# Altium PCB Smart-Car.PcbDoc
Units mil, origin at the board's own origin, x right, y up, seen from the top; angles counter-clockwise.
Board outline 3864.47 x 1896.81 mil, 2 copper layers (Top Layer, Bottom Layer), stack 17.323 mil thick; 4 components, 24 nets, 58 pads, 0 vias.
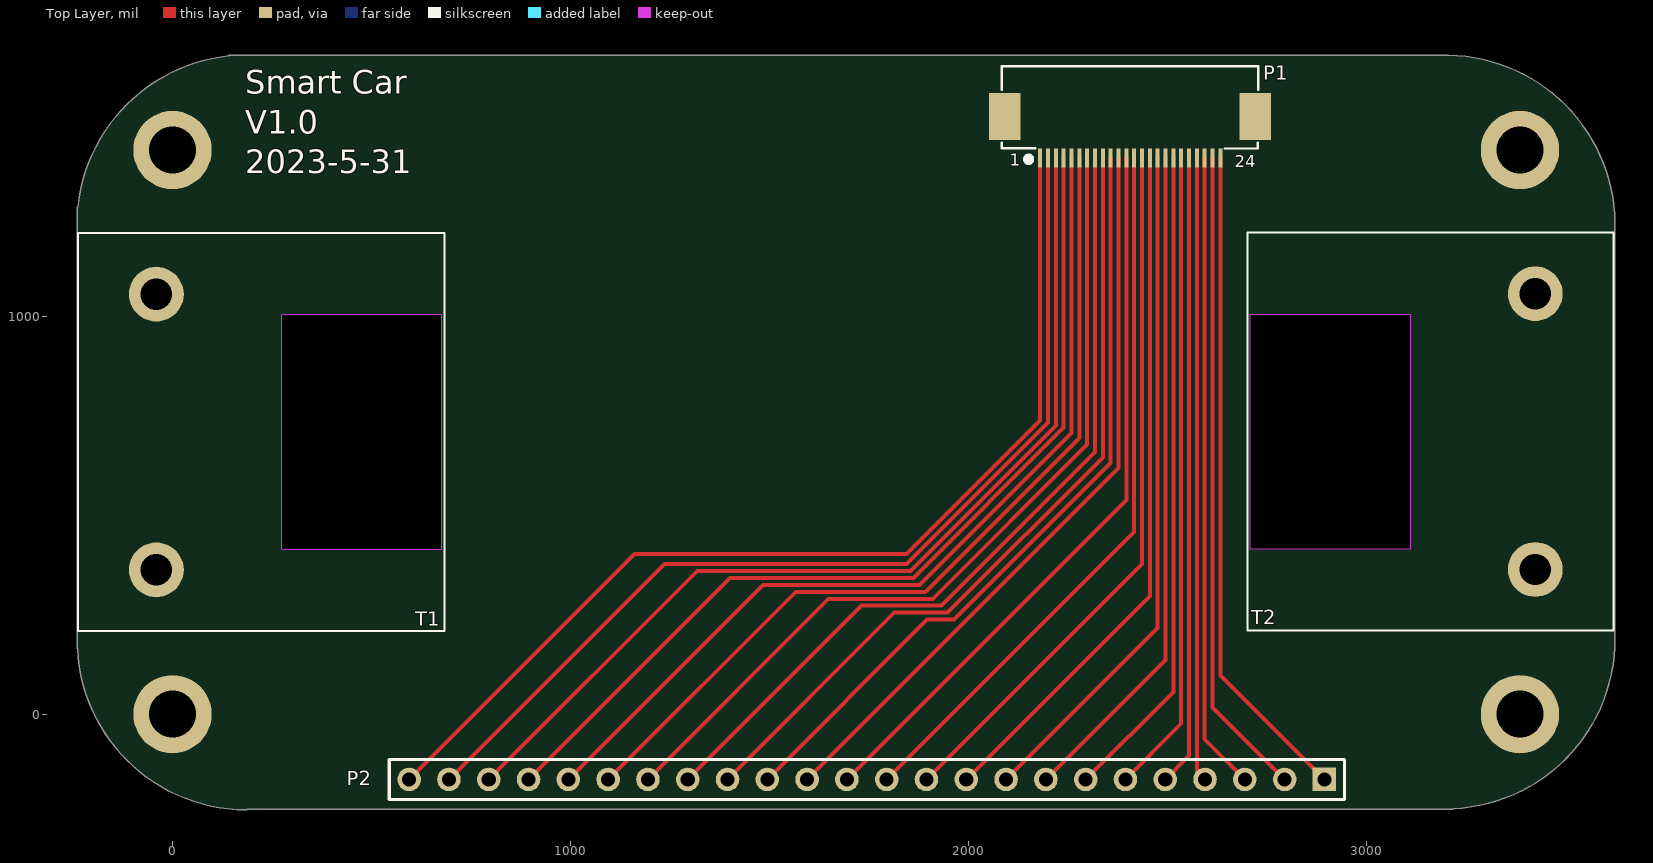
[diagram p0: Top Layer view]
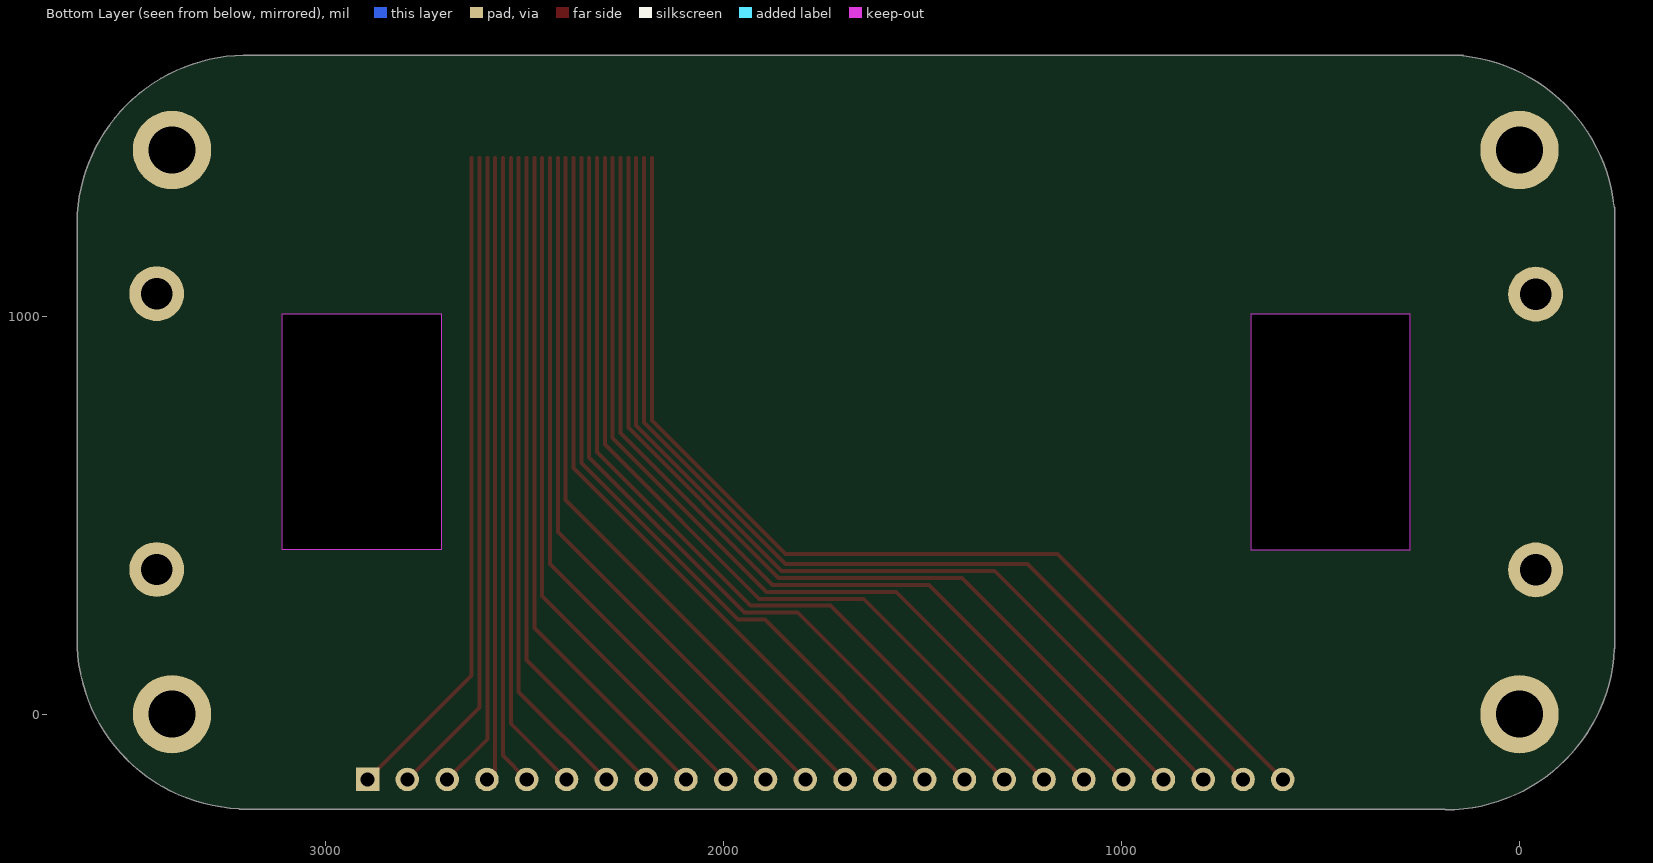
[diagram p1: Bottom Layer view, seen from below]

## Layer stack, top to bottom
Top Solder: solder mask 1.575, Solder Resist, Dk 3.5
Top Layer: signal copper 7.874
Dielectric 1: core 1.575, FR-4, Dk 4.2
Bottom Layer: signal copper 7.874
Bottom Solder: solder mask 1.575, Solder Resist, Dk 3.5

## Board outline
-238.74,165.81 cw(c186.46,184.88) -239.14,188.95 cw(c-236.63,188.93) -238.74,190.3 -238.74,1230.02 cw(c-237.37,1232.14) -239.89,1232.14 cw(c185.73,1230.45) -238.74,1261.78 -238.74,1273.78 cw(c-236.22,1273.78) -237.45,1275.97 cw(c185.73,1230.45) 141.03,1653.72 cw(c143.54,1653.54) 143.54,1656.06 181.68,1656.06 cw(c185.73,1230.45) 189.79,1656.06 3204.02,1656.06 cw(c3204.02,1653.54) 3205.72,1655.4 cw(c3198.96,1229.83) 3624.54,1235.85 cw(c3622.05,1235.51) 3624.56,1235.51 3624.56,1233.88 cw(c3198.96,1229.83) 3624.58,1229.83 cw(c3198.96,1229.83) 3624.56,1225.77 3624.56,170.05 cw(c3622.05,170.05) 3624.15,168.67 cw(c3198.94,187.46) 3217.78,-237.75 cw(c3215.78,-236.22) 3215.78,-238.74 187.24,-238.74 cw(c184.78,-238.22) 184.77,-240.74 cw(c186.46,184.88) -238.66,164.16 cw(c-236.22,164.78) -238.74,164.78
cut-out: 2708.11,1005.14 3109.61,1005.14 3109.61,414.61 2708.11,414.61
cut-out: 274.21,1004.12 675.71,1004.12 675.71,413.59 274.84,413.59 274.21,414.22

## Design rules (kind name [scope] priority, off if disabled: settings)
Clearance PVCC [InNet('PVCC') vs InNet('GND-WAVE')] p1: gap=20 ignorepadtopadclearanceinfootprint=FALSE except(0: Arc-Hole Track-Hole SMDPad-Hole THPad-Hole Via-Hole Fill-Hole Poly-Hole Region-Hole Text-Hole)
Clearance [All] p2: gap=7.5 ignorepadtopadclearanceinfootprint=FALSE except(0: Arc-Hole Track-Hole SMDPad-Hole THPad-Hole Via-Hole Fill-Hole Poly-Hole Region-Hole Text-Hole)
HoleSize [All] p1: absolutevalues=TRUE maxlimit=500 minlimit=1 maxpercent=80.000 minpercent=20.000
MinimumSolderMaskSliver [All] p1: minsoldermaskwidth=0
PlaneClearance [All] p1: clearance=10
PolygonConnect Via [IsVia] p1: connectstyle=Direct reliefconductorwidth=10 reliefentries=4 polygonreliefangle="90 Angle" airgapwidth=10
PolygonConnect [All] p2: connectstyle=Relief reliefconductorwidth=10 reliefentries=4 polygonreliefangle="90 Angle" airgapwidth=10
RoutingVias [All] p1: holewidth=12 width=24 viastyle="Through Hole" minholewidth=12 minwidth=24 maxholewidth=500 maxwidth=1000
ShortCircuit [All] p1: allowed=TRUE
SilkToSilkClearance [All] p1: silktosilkclearance=0
SilkToSolderMaskClearance [IsPad] p1: minsilkscreentomaskgap=0 clearancetoexposedcopper=TRUE
SolderMaskExpansion [All] p1: expansion=4 istentingtop=FALSE
Width [All] p1: maxlimit=100 minlimit=9 preferedwidth=10
24 further rules are at their usual default settings.

## Components (designator, comment, footprint, x,y, rotation, side; value= is the part's Value field where it differs from the comment)
P1 "FPC-24P-0.5mm" FPC24-0.5mm 2180.22,1397.2 r0 top locked
P2 "Header 24" HDR1X24 2894.6,-164.2 r180 top
T1 "N20电机固定" MOTO -40.59,1055.32 r0 top locked
T2 "N20电机固定" MOTO 3424.41,363.41 r180 top locked

## Footprints (in the part's own frame and the unit in brackets; to place one, negate y for a bottom-side part, rotate by r counter-clockwise, add the part's x,y. Pads: shape width x height; smd on the part's side, far side on the other; paste and mask are expansions set on the pad)
FPC24-0.5mm [mm]
  rect 0.25x1.2 smd: 1(0,0) 2(0.5,0) 3(1,0) 4(1.5,0) 5(2,0) 6(2.5,0) 7(3,0) 8(3.5,0) 9(4,0) 10(4.5,0) 11(5,0) 12(5.5,0) 13(6,0) 14(6.5,0) 15(7,0) 16(7.5,0) 17(8,0) 18(8.5,0) 19(9,0) 20(9.5,0) 21(10,0) 22(10.5,0) 23(11,0) 24(11.5,0)
  rect 2x3 smd: A(-2.25,2.652) B(13.725,2.652)
  silkscreen extent -2.45,-0.25 13.92,5.87, body extent -2.46,0.59 13.92,5.88, height 2
HDR1X24 [mm] "Connector; Header; 24 Position"
  rect 1.5x1.5 hole 0.9: 1(0,0)
  round 1.5 hole 0.9: 2(2.54,0) 3(5.08,0) 4(7.62,0) 5(10.16,0) 6(12.7,0) 7(15.24,0) 8(17.78,0) 9(20.32,0) 10(22.86,0) 11(25.4,0) 12(27.94,0) 13(30.48,0) 14(33.02,0) 15(35.56,0) 16(38.1,0) 17(40.64,0) 18(43.18,0) 19(45.72,0) 20(48.26,0) 21(50.8,0) 22(53.34,0) 23(55.88,0) 24(58.42,0)
  silkscreen extent -1.27,-1.27 59.69,1.27
MOTO [mm]
  round 3.5 hole 2: 0(0,-17.6) 0(0,0)
  silkscreen extent -5,-21.5 18.38,3.9

## Part data
P1: library part FPC-24-0.5mm
P2: "Header, 24-Pin"

## Free pads (board coordinates)
  round 196.85 hole 118.11: 0(0,0) 0(0,1417.32) 0(3385.83,0) 0(3385.83,1417.32)

## Nets (pads, with @x,y where several pads share a name; then routed paths per layer and width w, separated by ;. In a path a pad name is that pad's centre, name@x,y a point inside that pad or via, vN(x,y) a via of type N, cw(c..) or ccw(c..) an arc to the next point about the centre after c; other vN are vias at no path point)
NetP1_1: P1.1 P2.24 | length 2618.7
  Top Layer w10: P2.24 1160.6,401.8 1844.3,401.8 2180.22,737.72 P1.1
NetP1_2: P1.2 P2.23 | length 2541.4
  Top Layer w10: P2.23 1236.1,377.3 1844.6,377.3 2199.9,732.61 P1.2
NetP1_3: P1.3 P2.22 | length 2465.5
  Top Layer w10: P2.22 1318.6,359.8 1854.3,359.8 2219.59,725.09 P1.3
NetP1_4: P1.4 P2.21 | length 2388.1
  Top Layer w10: P2.21 1401.1,342.3 1861.55,342.3 2239.27,720.03 P1.4
NetP1_5: P1.5 P2.20 | length 2315.6
  Top Layer w10: P2.20 1483.6,324.8 1877,324.8 2258.96,706.76 P1.5
NetP1_6: P1.6 P2.19 | length 2242.9
  Top Layer w10: P2.19 1566.1,307.3 1892.3,307.3 2278.64,693.65 P1.6
NetP1_7: P1.7 P2.18 | length 2172.3
  Top Layer w10: P2.18 1648.6,289.8 1911,289.8 2298.33,677.13 P1.7
NetP1_8: P1.8 P2.17 | length 2102.9
  Top Layer w10: P2.17 1731.1,272.3 1931.9,272.3 2318.01,658.42 P1.8
NetP1_9: P1.9 P2.16 | length 2030.4
  Top Layer w10: P2.16 1813.6,254.8 1947.3,254.8 2337.7,645.2 P1.9
NetP1_10: P1.10 P2.15 | length 1958.4
  Top Layer w10: P2.15 1896.1,237.3 1963.7,237.3 2357.38,630.99 P1.10
NetP1_11: P1.11 P2.14 | length 1885.5
  Top Layer w10: P2.14 2377.07,618.27 P1.11
NetP1_12: P1.12 P2.13 | length 1852.2
  Top Layer w10: P2.13 2396.75,537.96 P1.12
NetP1_13: P1.13 P2.12 | length 1819
  Top Layer w10: P2.12 2416.44,457.64 P1.13
NetP1_14: P1.14 P2.11 | length 1785.7
  Top Layer w10: P2.11 2436.12,377.33 P1.14
NetP1_15: P1.15 P2.10 | length 1752.4
  Top Layer w10: P2.10 2455.81,297.01 P1.15
NetP1_16: P1.16 P2.9 | length 1719.2
  Top Layer w10: P2.9 2475.49,216.7 P1.16
NetP1_17: P1.17 P2.8 | length 1685.9
  Top Layer w10: P2.8 2495.18,136.38 P1.17
NetP1_18: P1.18 P2.7 | length 1652.6
  Top Layer w10: P2.7 2514.86,56.07 P1.18
NetP1_19: P1.19 P2.6 | length 1619.4
  Top Layer w10: P2.6 2534.55,-24.25 P1.19
NetP1_20: P1.20 P2.5 | length 1586.1
  Top Layer w10: P2.5 2554.23,-104.56 P1.20
NetP1_21: P1.21 P2.4 | length 1575.4
  Top Layer w10: P1.21 2573.92,-152.81 2585.3,-164.2 P2.4
NetP1_22: P1.22 P2.3 | length 1603.2
  Top Layer w10: P1.22 2593.6,-63.2 P2.3
NetP1_23: P1.23 P2.2 | length 1636.5
  Top Layer w10: P1.23 2613.29,17.12 P2.2
NetP1_24: P1.24 P2.1 | length 1669.8
  Top Layer w10: P1.24 2632.97,97.43 P2.1
pads on no net: P1.A P1.B T1.0 T2.0

## Silkscreen, mask and mechanical layers (free items; w line width, h text height)
Top Overlay:
  text "Smart Car / V1.0 / 2023-5-31" at 182.5,1338.7 h100
Mechanical 1:
  lines w5: -237.37,1232.13 cw(c185.73,1230.45) 189.78,1653.54 ; -236.63,188.93 ccw(c186.46,184.88) 184.78,-238.22 ; -236.22,164.78 -236.22,1273.78 ; 143.54,1653.54 585.1,1653.54 ; 164.78,-236.22 3215.78,-236.22 ; 568.98,1653.54 1382.4,1653.54 ; 1356.98,1653.54 2182.5,1653.54 ; 2143.88,1653.54 2954.6,1653.54 ; 2931.88,1653.54 3204.02,1653.54 ; 3194.9,-235.63 ccw(c3198.94,187.46) 3622.05,185.78 ; 3200.64,1652.93 cw(c3198.96,1229.83) 3622.05,1225.78 ; 3622.05,170.05 3622.05,1235.51
Drill Drawing:
  text "'.Legend'" at 3890.8,693.9 h100

## Text inside footprints (layer, text, board x,y; h text height)
P1: Top Overlay "24" at 2669.22,1374.2 h30; Top Overlay "1" at 2104.22,1378.2 h30